# Altium PCB Unextended_Standard.PcbDoc (part 1 of 2)
Units mm, origin at the board's own origin, x right, y up, seen from the top; angles counter-clockwise.
Board outline 275.2 x 94.2 mm, 2 copper layers (Component Side, Bottom Layer), stack 1.571 mm thick; 221 components, 128 nets, 679 pads, 187 vias.
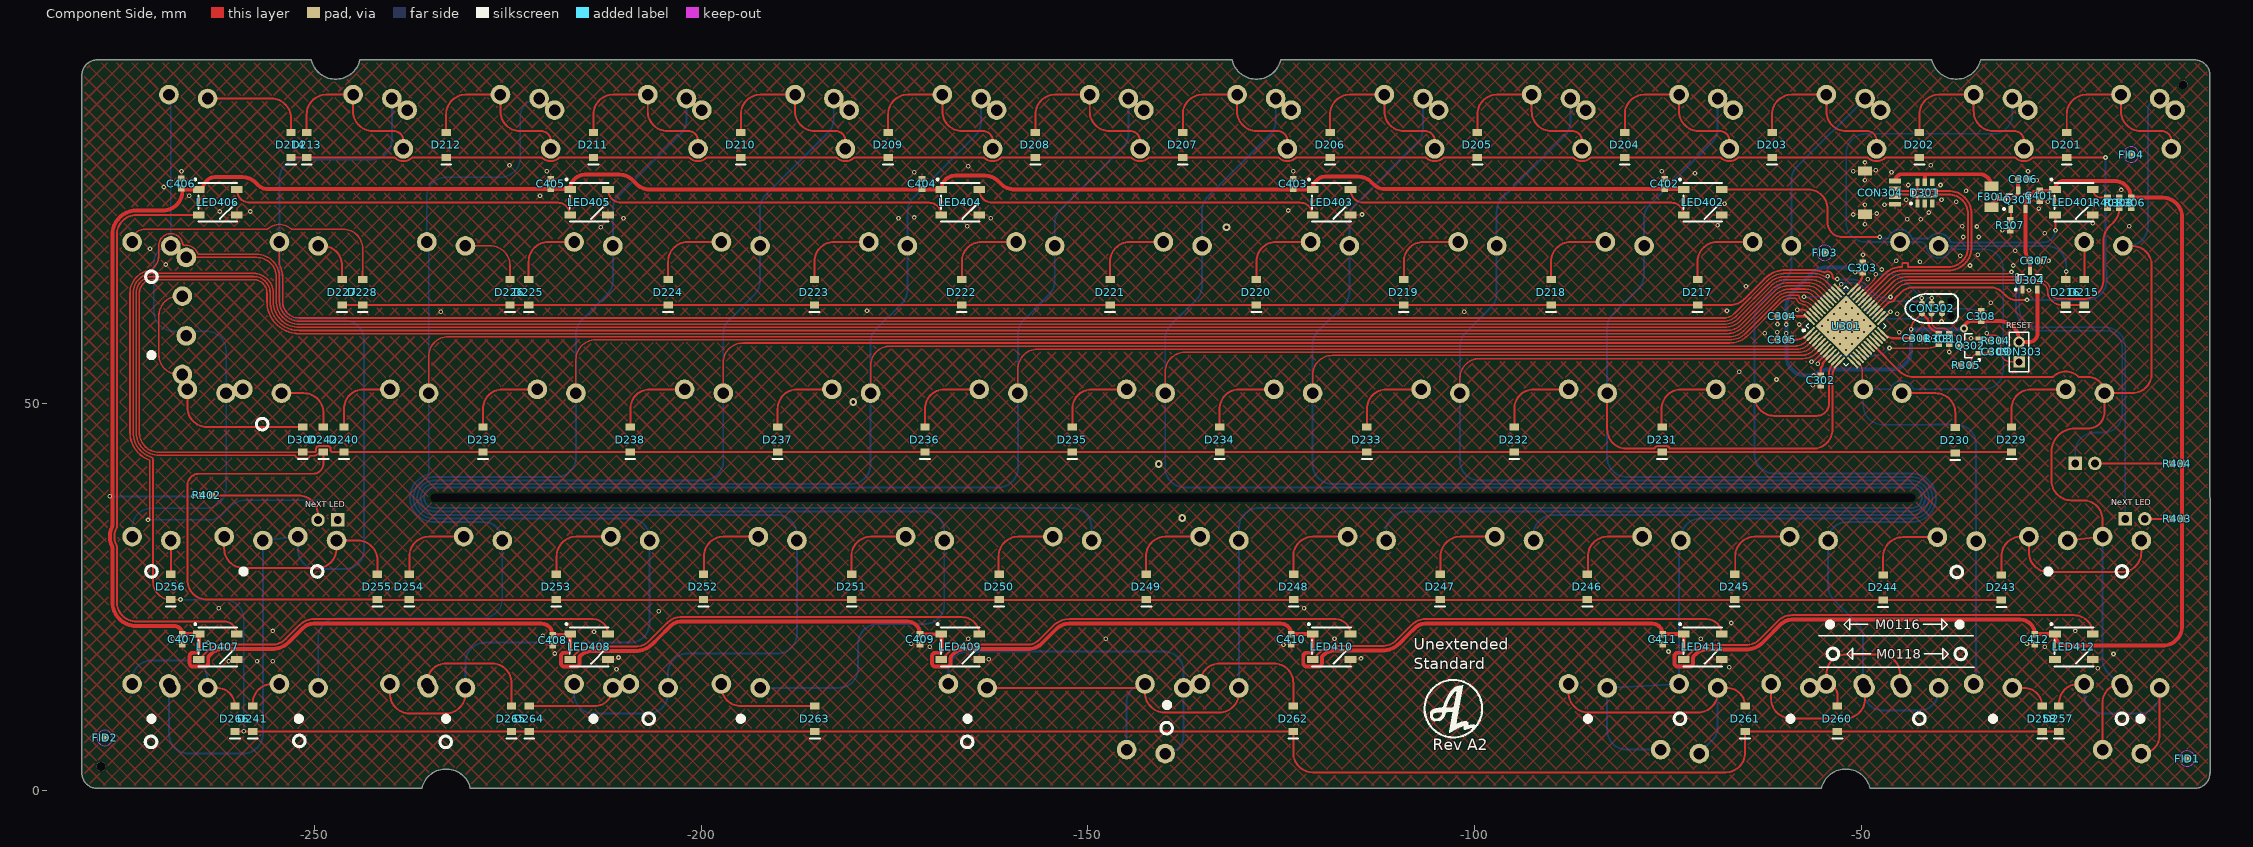
[diagram p0: Component Side view]
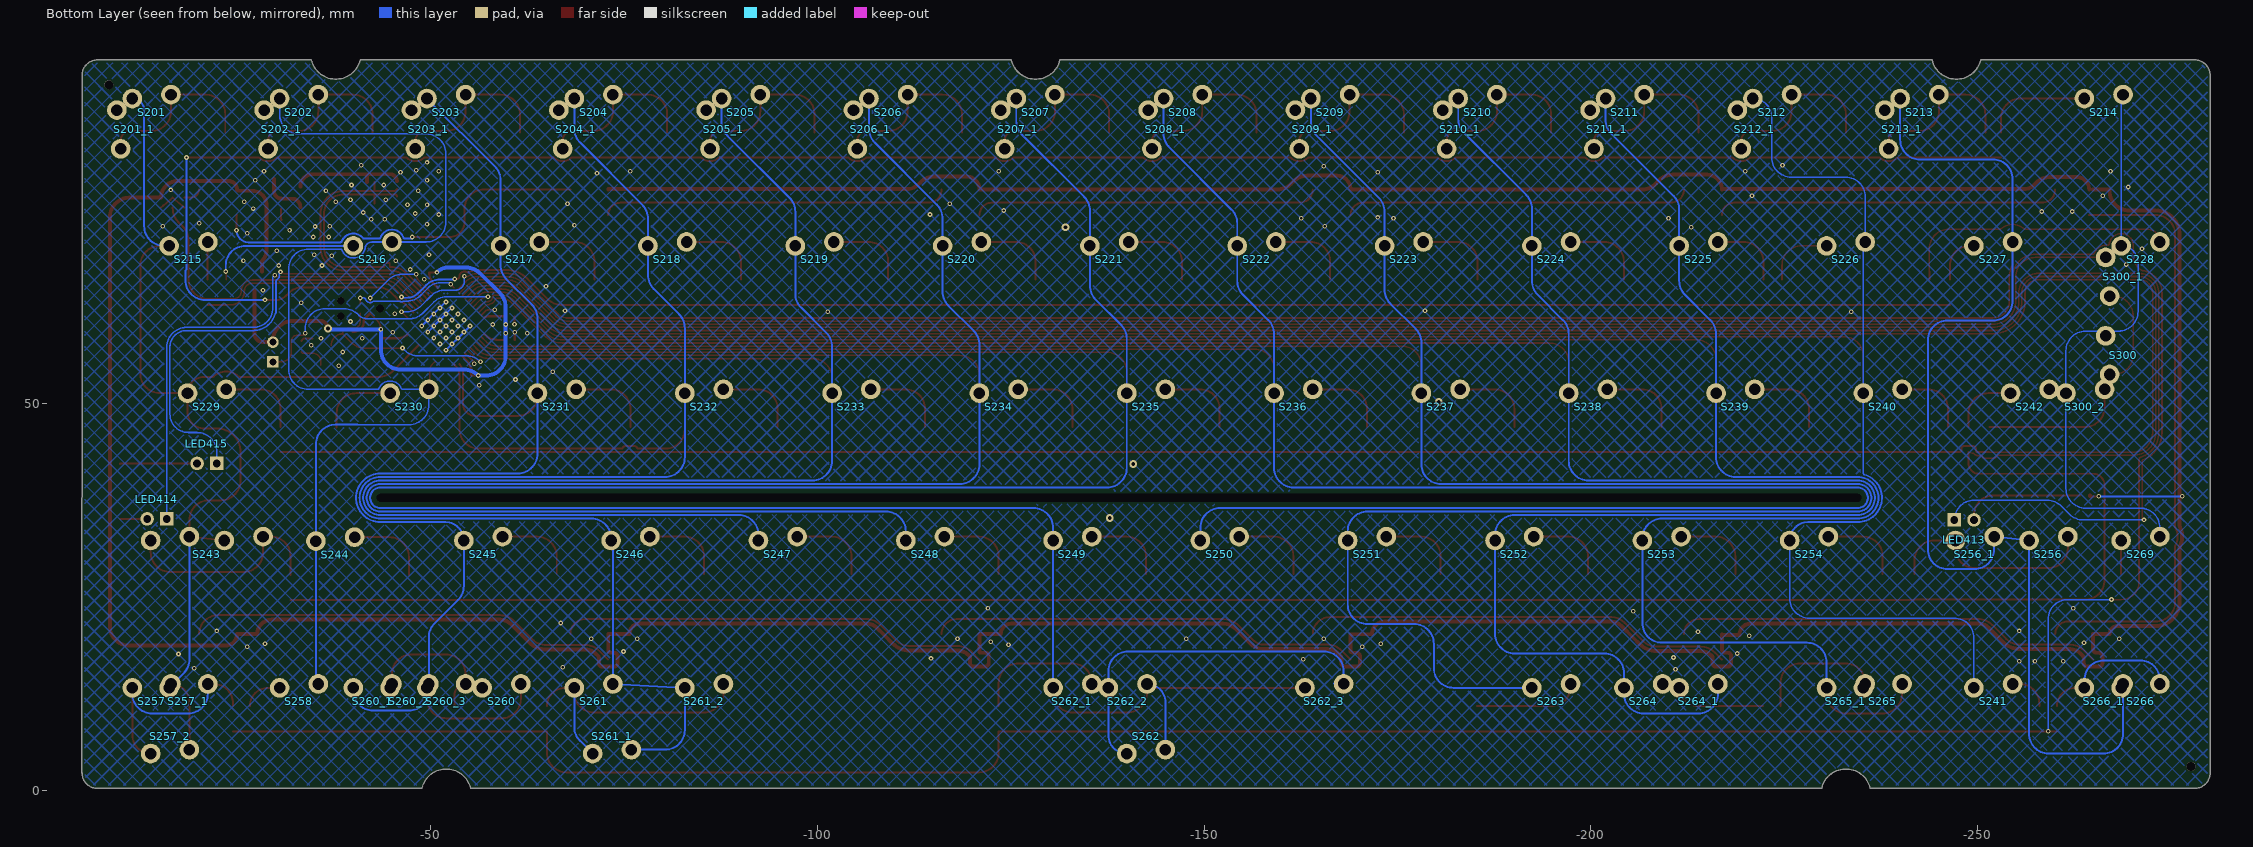
[diagram p1: Bottom Layer view, seen from below]
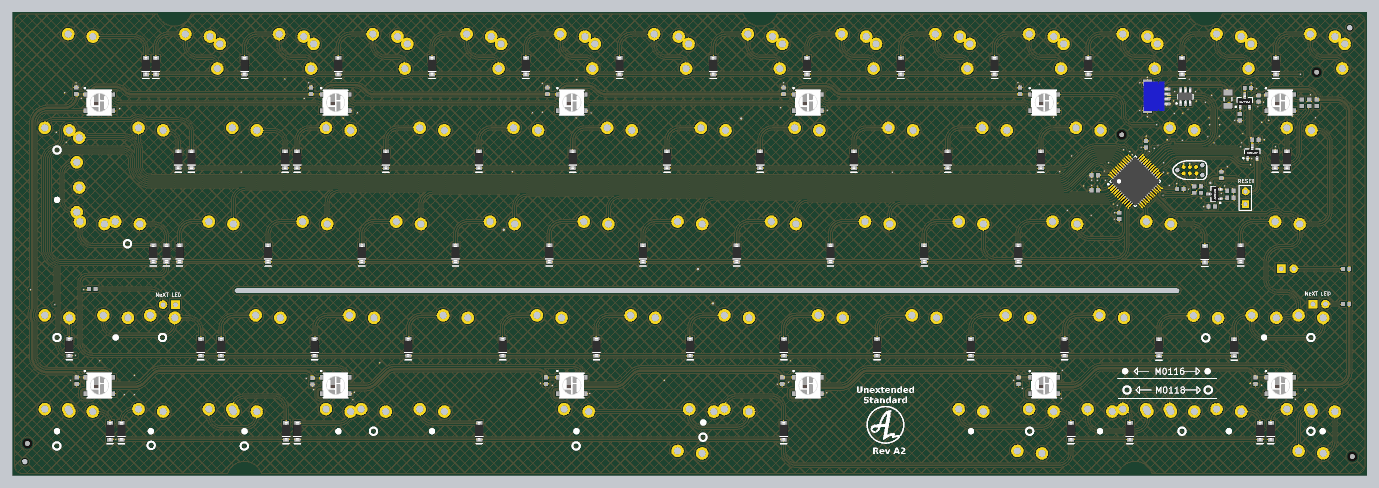
[diagram p3: 3D render of the assembled board from above, using the file's embedded part models]

## Layer stack, top to bottom
Top Solder: solder mask 0.0102, Solder Resist, Dk 3.5
Component Side: signal copper 0.0356
Dielectric 1: core 1.5, FR-4, Dk 4.2
Bottom Layer: signal copper 0.0356
Solder Side: solder mask 0.0102, Solder Resist, Dk 3.5

## Board outline
-278.088,0.215 -275.85,0.215 -269.55,0.215 -236.137,0.215 cw(c-232.987,-0.52) -229.838,0.215 -182.75,0.215 -102.25,0.215 -55.161,0.215 cw(c-52.011,-0.52) -48.861,0.215 -15.45,0.215 -9.15,0.215 -6.913,0.215 ccw(c-6.913,2.215) -4.913,2.215 ccw(c-4.913,2.238) -4.889,2.238 -4.889,36.576 -4.913,39.065 -4.913,92.415 ccw(c-6.913,92.415) -6.913,94.415 -15.45,94.415 -34.575,94.415 cw(c-37.724,95.149) -40.874,94.415 -102.25,94.415 -125.061,94.415 cw(c-128.212,95.149) -131.361,94.415 -189.05,94.415 -244.125,94.415 cw(c-247.274,95.149) -250.424,94.415 -269.55,94.415 -275.85,94.415 -278.088,94.415 ccw(c-278.088,92.415) -280.088,92.415 -280.088,39.065 -280.088,36.565 -280.088,2.215 ccw(c-278.088,2.215)

## Design rules (kind name [scope] priority, off if disabled: settings)
BoardOutlineClearance [All] p1: gap=0.254 ignorepadtopadclearanceinfootprint=FALSE except(0: Arc-SplitContinuation Track-SplitContinuation SMDPad-SplitContinuation THPad-SplitContinuation Via-SplitContinuation Fill-SplitContinuation Poly-SplitContinuation Region-SplitContinuation Text-SplitContinuation)
Clearance [All] p1: gap=0.2 ignorepadtopadclearanceinfootprint=FALSE except(0: Arc-Hole Track-Hole SMDPad-Hole THPad-Hole Via-Hole Fill-Hole Poly-Hole Region-Hole Text-Hole; 0.254: THPad-THPad THPad-Via THPad-Fill THPad-Poly THPad-Region THPad-Text Via-Via Via-Fill Via-Poly Via-Region Via-Text Fill-Fill Fill-Poly Fill-Region Fill-Text Poly-Poly Poly-Region Poly-Text Region-Region Region-Text Text-Text)
ComponentClearance [InComponent('No Component') And OnLayer('Component Side')] p1: gap=0.254 collisioncheckmode=3 verticalgap=0.254 showdistances=FALSE
DiffPairsRouting DiffPairsRouting_USB [InDifferentialPairClass('All Differential Pairs')] p1: maxlimit=0.254 minlimit=0.203 mostfreqgap=0.203 toplayer_minwidth=0.152 toplayer_maxwidth=0.381 toplayer_prefwidth=0.152 bottomlayer_minwidth=0.152 bottomlayer_maxwidth=0.381 bottomlayer_prefwidth=0.152 maxuncoupledlength=12.7
DiffPairsRouting [All] p2: maxlimit=0.254 minlimit=0.254 mostfreqgap=0.254 toplayer_minwidth=0.381 toplayer_maxwidth=0.381 toplayer_prefwidth=0.381 bottomlayer_minwidth=0.381 bottomlayer_maxwidth=0.381 bottomlayer_prefwidth=0.381 maxuncoupledlength=12.7
HoleSize [All] p1: absolutevalues=TRUE maxlimit=200 minlimit=0.025 maxpercent=80.000 minpercent=20.000
MatchedLengths MatchedLengths_USB_DiffPairs_1 [All] p1: tolerance=0.127 checknetsindiffpair=TRUE checkdiffpairvsdiffpair=FALSE checkxsignals=FALSE checkothers=FALSE
MatchedLengths MatchedLengths_USB_DiffPairs [All] p2: tolerance=0.127 checknetsindiffpair=TRUE checkdiffpairvsdiffpair=FALSE checkxsignals=FALSE checkothers=FALSE
PolygonConnect PolygonConnect_1 [All vs IsVia] p1: connectstyle=Direct reliefconductorwidth=0.254 reliefentries=4 polygonreliefangle="90 Angle" airgapwidth=0.254
PolygonConnect [All] p2: connectstyle=Relief reliefconductorwidth=0.254 reliefentries=4 polygonreliefangle="90 Angle" airgapwidth=0.254
RoutingVias [All] p1: holewidth=0.711 width=1.27 viastyle="Through Hole" minholewidth=0.711 minwidth=1.27 maxholewidth=0.711 maxwidth=1.27
SolderMaskExpansion [All] p1: expansion=0.102 istentingtop=FALSE
Width [All] p1: maxlimit=0.508 minlimit=0.203 preferedwidth=0.254 minimp=50.000000 maximp=50.000000 favimp=50.000000
27 further rules are at their usual default settings.

## Classes and differential pairs
component class 1_Unextended_Standard_top: FID1 FID2 FID3 FID4
component class Designator: C201 C202 C203 C204 C205 C206 D201 D202 D203 D204 D205 D206 D207 D208 D209 D210 D211 D212 D213 D214 D215 D216 D217 D218 D219 D220 D221 D222 D223 D224 D225 D226 D227 D228 D229 D230 D231 D232 D233 D234 D235 D236 D237 D238 D239 D240 D241 D242 D243 D244 D245 D246 D247 D248 D249 D250 D251 D252 D253 D254 D255 D256 D257 D258 D260 D261 D262 D263 D264 D265 D266 D268 D300 S201 S201_1 S202 S202_1 S203 S203_1 S204 S204_1 S205 S205_1 S206 S206_1 S207 S207_1 S208 S208_1 S209 S209_1 S210 S210_1 S211 S211_1 S212 S212_1 S213 S213_1 S214 S215 S216 S217 S218 S219 S220 S221 S222 S223 S224 S225 S226 S227 S228 S229 S230 S231 S232 S233 S234 S235 S236 S237 S238 S239 S240 S241 S242 S243 S244 S245 S246 S247 S248 S249 S250 S251 S252 S253 S254 S256 S256_1 S257 S257_1 S257_2 S258 S260 S260_1 S260_2 S260_3 S261 S261_1 S261_2 S262 S262_1 S262_2 S262_3 S263 S264 S264_1 S265 S265_1 S266 S266_1 S269 S300 S300_1 S300_2
differential pair D: +D_P -D_N

## Components (designator, comment, footprint, x,y, rotation, side; value= is the part's Value field where it differs from the comment)
C301 "" C0603[1608] -42.799,58.42 r180 top value=0.1uF
C302 "" C0603[1608] -55.245,52.959 r90 top value=0.1uF
C303 "" C0603[1608] -49.784,67.564 r270 top value=0.1uF
C304 "" C0603[1608] -60.198,61.249 r0 top value=0.1uF
C305 "" C0603[1608] -60.198,58.201 r0 top value=0.1uF
C306 "" C0603[1608] -29.083,78.994 r180 top value=4.7uF
C307 "" C0603[1608] -27.559,68.453 r180 top value=1uF
C308 "" C0603[1608] -34.487,61.291 r270 top value=1uF
C309 "" C0603[1608] -32.639,56.677 r180 top value=4.7uF
C310 "" C0603[1608] -38.608,58.328 r270 top value=470nF
C401 "" C0603[1608] -26.924,76.835 r90 top value=0.1uF
C402 "" C0603[1608] -75.438,78.374 r270 top value=0.1uF
C403 "" C0603[1608] -123.444,78.374 r270 top value=0.1uF
C404 "" C0603[1608] -171.45,78.374 r270 top value=0.1uF
C405 "" C0603[1608] -219.456,78.374 r270 top value=0.1uF
C406 "" C0603[1608] -267.208,78.422 r270 top value=0.1uF
C407 "" C0603[1608] -267.086,19.502 r90 top value=0.1uF
C408 "" C0603[1608] -219.207,19.375 r90 top value=0.1uF
C409 "" C0603[1608] -171.709,19.5 r90 top value=0.1uF
C410 "" C0603[1608] -123.703,19.502 r90 top value=0.1uF
C411 "" C0603[1608] -75.697,19.502 r90 top value=0.1uF
C412 "" C0603[1608] -27.564,19.502 r90 top value=0.1uF
CON302 "TC2030-IDC" TC2030-IDC-NL -40.894,62.265 r0 top
CON303 "Header 2" HDR1X2 -29.591,55.372 r90 top
CON304 "Header 5" "JST SM04B-SRSS-TB" -49.5,77.25 r270 top
D201 "Diode" SOD-123 -23.431,83.415 r90 top
D202 "Diode" SOD-123 -42.481,83.415 r90 top
D203 "Diode" SOD-123 -61.531,83.415 r90 top
D204 "Diode" SOD-123 -80.581,83.415 r90 top
D205 "Diode" SOD-123 -99.632,83.415 r90 top
D206 "Diode" SOD-123 -118.681,83.415 r90 top
D207 "Diode" SOD-123 -137.731,83.415 r90 top
D208 "Diode" SOD-123 -156.781,83.415 r90 top
D209 "Diode" SOD-123 -175.832,83.415 r90 top
D210 "Diode" SOD-123 -194.881,83.415 r90 top
D211 "Diode" SOD-123 -213.931,83.415 r90 top
D212 "Diode" SOD-123 -232.981,83.415 r90 top
D213 "Diode" SOD-123 -251.016,83.415 r90 top
D214 "Diode" SOD-123 -253.047,83.415 r90 top
D215 "Diode" SOD-123 -21.145,64.365 r90 top
D216 "Diode" SOD-123 -23.558,64.365 r90 top
D217 "Diode" SOD-123 -71.162,64.365 r90 top
D218 "Diode" SOD-123 -90.106,64.365 r90 top
D219 "Diode" SOD-123 -109.156,64.365 r90 top
D220 "Diode" SOD-123 -128.207,64.365 r90 top
D221 "Diode" SOD-123 -147.13,64.365 r90 top
D222 "Diode" SOD-123 -166.306,64.365 r90 top
D223 "Diode" SOD-123 -185.356,64.365 r90 top
D224 "Diode" SOD-123 -204.279,64.365 r90 top
D225 "Diode" SOD-123 -222.314,64.365 r90 top
D226 "Diode" SOD-123 -224.726,64.365 r90 top
D227 "Diode" SOD-123 -246.444,64.365 r90 top
D228 "Diode" SOD-123 -243.776,64.365 r90 top
D229 "Diode" SOD-123 -30.575,45.315 r90 top
D230 "Diode" SOD-123 -37.846,45.212 r90 top
D231 "Diode" SOD-123 -75.755,45.315 r90 top
D232 "Diode" SOD-123 -94.869,45.315 r90 top
D233 "Diode" SOD-123 -113.919,45.315 r90 top
D234 "Diode" SOD-123 -132.969,45.315 r90 top
D235 "Diode" SOD-123 -152.019,45.315 r90 top
D236 "Diode" SOD-123 -171.069,45.315 r90 top
D237 "Diode" SOD-123 -190.119,45.315 r90 top
D238 "Diode" SOD-123 -209.169,45.315 r90 top
D239 "Diode" SOD-123 -228.219,45.315 r90 top
D240 "Diode" SOD-123 -246.189,45.315 r90 top
D241 "Diode" SOD-123 -258,9.215 r90 top
D242 "Diode" SOD-123 -248.856,45.315 r90 top
D243 "Diode" SOD-123 -31.877,26.194 r90 top
D244 "Diode" SOD-123 -47.175,26.194 r90 top
D245 "Diode" SOD-123 -66.358,26.265 r90 top
D246 "Diode" SOD-123 -85.407,26.265 r90 top
D247 "Diode" SOD-123 -104.457,26.265 r90 top
D248 "Diode" SOD-123 -123.38,26.265 r90 top
D249 "Diode" SOD-123 -142.43,26.265 r90 top
D250 "Diode" SOD-123 -161.481,26.265 r90 top
D251 "Diode" SOD-123 -180.53,26.265 r90 top
D252 "Diode" SOD-123 -199.707,26.265 r90 top
D253 "Diode" SOD-123 -218.757,26.265 r90 top
D254 "Diode" SOD-123 -237.744,26.265 r90 top
D255 "Diode" SOD-123 -241.871,26.265 r90 top
D256 "Diode" SOD-123 -268.587,26.265 r90 top
D257 "Diode" SOD-123 -24.447,9.215 r90 top
D258 "Diode" SOD-123 -26.607,9.215 r90 top
D260 "Diode" SOD-123 -53.086,9.215 r90 top
D261 "Diode" SOD-123 -65.024,9.215 r90 top
D262 "Diode" SOD-123 -123.444,9.215 r90 top
D263 "Diode" SOD-123 -185.293,9.215 r90 top
D264 "Diode" SOD-123 -222.25,9.215 r90 top
D265 "Diode" SOD-123 -224.536,9.215 r90 top
D266 "Diode" SOD-123 -260.286,9.215 r90 top
D300 "Diode" SOD-123 -251.523,45.315 r90 top
D301 "SRV05" SOT-23-6 -41.783,77.216 r90 top
F301 "Fuse Thermal" C1206[3216] -33.147,76.708 r90 top
FID1 "Plug" Fiducial_Nordic -7.874,4.064 r90 top
FID2 "Plug" Fiducial_Nordic -277.114,6.731 r90 top
FID3 "Plug" Fiducial_Nordic -54.737,69.469 r90 top
FID4 "Plug" Fiducial_Nordic -15.113,82.169 r90 top
LED401 "WS2812B" "WS2812B - 5050" -22.5,76 r0 top
LED402 "WS2812B" "WS2812B - 5050" -70.499,76 r0 top
LED403 "WS2812B" "WS2812B - 5050" -118.499,76 r0 top
LED404 "WS2812B" "WS2812B - 5050" -166.499,76 r0 top
LED405 "WS2812B" "WS2812B - 5050" -214.499,76 r0 top
LED406 "WS2812B" "WS2812B - 5050" -262.499,76 r0 top
LED407 "WS2812B" "WS2812B - 5050" -262.499,18.5 r0 top
LED408 "WS2812B" "WS2812B - 5050" -214.499,18.5 r0 top
LED409 "WS2812B" "WS2812B - 5050" -166.499,18.5 r0 top
LED410 "WS2812B" "WS2812B - 5050" -118.499,18.5 r0 top
LED411 "WS2812B" "WS2812B - 5050" -70.499,18.5 r0 top
LED412 "WS2812B" "WS2812B - 5050" -22.5,18.5 r0 top
LED413 "LED0" "SWITCH_LED - 1U" -248.285,29.845 r0 bottom
LED414 "LED0" "SWITCH_LED - 1U" -14.605,40.132 r180 bottom
LED415 "LED0" "SWITCH_LED - 1U" -21.056,47.315 r180 bottom
Q301 "PMOS-2" SOT-23-3 -29.718,76.327 r90 top
Q302 "2N7002 NMOS" SOT-23-3 -35.941,57.439 r180 top
R303 "Res1" R0603[1608] -40.005,58.328 r270 top value=10K
R304 "Res1" R0603[1608] -32.639,58.074 r180 top value=10K
R305 "Res1" R0603[1608] -36.449,54.899 r180 top value=100K
R306 "Res1" R0603[1608] -15.113,75.946 r270 top value=10K
R307 "Res1" R0603[1608] -30.734,73.025 r270 top value=10K
R308 "Res1" R0603[1608] -16.637,75.946 r270 top value=470
R401 "Res1" R0603[1608] -18.161,75.946 r90 top value=470R
R402 "Res1" R0603[1608] -263.906,38.1 r180 top value=470R
R403 "Res1" R0603[1608] -9.144,35.052 r0 top value=470R
R404 "Res1" R0603[1608] -9.144,42.164 r0 top value=470R
S201 "ALPS" "Alps-switch - switched pol" -13.912,85.415 r180 bottom locked
S201_1 "ALPS" Alps-switch -13.912,85.415 r90 bottom locked
S202 "ALPS" "Alps-switch - switched pol" -32.962,85.415 r180 bottom locked
S202_1 "ALPS" Alps-switch -32.962,85.415 r90 bottom locked
S203 "ALPS" "Alps-switch - switched pol" -52.012,85.415 r180 bottom locked
S203_1 "ALPS" Alps-switch -52.012,85.415 r90 bottom locked
S204 "ALPS" "Alps-switch - switched pol" -71.062,85.415 r180 bottom locked
S204_1 "ALPS" Alps-switch -71.062,85.415 r90 bottom locked
S205 "ALPS" "Alps-switch - switched pol" -90.112,85.415 r180 bottom locked
S205_1 "ALPS" Alps-switch -90.112,85.415 r90 bottom locked
S206 "ALPS" "Alps-switch - switched pol" -109.162,85.415 r180 bottom locked
S206_1 "ALPS" Alps-switch -109.162,85.415 r90 bottom locked
S207 "ALPS" "Alps-switch - switched pol" -128.212,85.415 r180 bottom locked
S207_1 "ALPS" Alps-switch -128.212,85.415 r90 bottom locked
S208 "ALPS" "Alps-switch - switched pol" -147.262,85.415 r180 bottom locked
S208_1 "ALPS" Alps-switch -147.262,85.415 r90 bottom locked
S209 "ALPS" "Alps-switch - switched pol" -166.312,85.415 r180 bottom locked
S209_1 "ALPS" Alps-switch -166.312,85.415 r90 bottom locked
S210 "ALPS" "Alps-switch - switched pol" -185.362,85.415 r180 bottom locked
S210_1 "ALPS" Alps-switch -185.362,85.415 r90 bottom locked
S211 "ALPS" "Alps-switch - switched pol" -204.412,85.415 r180 bottom locked
S211_1 "ALPS" Alps-switch -204.412,85.415 r90 bottom locked
S212 "ALPS" "Alps-switch - switched pol" -223.462,85.415 r180 bottom locked
S212_1 "ALPS" Alps-switch -223.462,85.415 r90 bottom locked
S213 "ALPS" "Alps-switch - switched pol" -242.512,85.415 r180 bottom locked
S213_1 "ALPS" Alps-switch -242.512,85.415 r90 bottom locked
S214 "ALPS" "ALPS-switch - 1.5U" -266.325,85.415 r180 bottom locked
S215 "MX" "Alps-switch - switched pol" -18.675,66.365 r180 bottom locked
S216 "ALPS" Alps-switch -42.487,66.365 r180 bottom locked
S217 "ALPS" "Alps-switch - switched pol" -61.537,66.365 r180 bottom locked
S218 "ALPS" "Alps-switch - switched pol" -80.587,66.365 r180 bottom locked
S219 "ALPS" "Alps-switch - switched pol" -99.637,66.365 r180 bottom locked
S220 "ALPS" "Alps-switch - switched pol" -118.687,66.365 r180 bottom locked
S221 "ALPS" "Alps-switch - switched pol" -137.737,66.365 r180 bottom locked
S222 "ALPS" "Alps-switch - switched pol" -156.787,66.365 r180 bottom locked
S223 "ALPS" "Alps-switch - switched pol" -175.837,66.365 r180 bottom locked
S224 "ALPS" "Alps-switch - switched pol" -194.887,66.365 r180 bottom locked
S225 "ALPS" "Alps-switch - switched pol" -213.937,66.365 r180 bottom locked
S226 "ALPS" Alps-switch -232.987,66.365 r180 bottom locked
S227 "ALPS" Alps-switch -252.037,66.365 r180 bottom locked
S228 "ALPS" "Alps-switch - switched pol" -271.087,66.365 r180 bottom locked
S229 "ALPS" "Alps-switch - switched pol" -21.056,47.315 r180 bottom locked
S230 "ALPS" Alps-switch -47.25,47.315 r180 bottom locked
S231 "ALPS" "Alps-switch - switched pol" -66.3,47.315 r180 bottom locked
S232 "ALPS" "Alps-switch - switched pol" -85.35,47.315 r180 bottom locked
S233 "ALPS" "Alps-switch - switched pol" -104.4,47.315 r180 bottom locked
S234 "ALPS" "Alps-switch - switched pol" -123.45,47.315 r180 bottom locked
S235 "ALPS" "Alps-switch - switched pol" -142.5,47.315 r180 bottom locked
S236 "ALPS" "Alps-switch - switched pol" -161.55,47.315 r180 bottom locked
S237 "ALPS" "Alps-switch - switched pol" -180.6,47.315 r180 bottom locked
S238 "ALPS" "Alps-switch - switched pol" -199.65,47.315 r180 bottom locked
S239 "ALPS" "Alps-switch - switched pol" -218.7,47.315 r180 bottom locked
S240 "ALPS" "Alps-switch - switched pol" -237.75,47.315 r180 bottom locked
S241 "ALPS" Alps-switch -252.037,9.215 r180 bottom
S242 "ALPS" Alps-switch -256.775,47.315 r180 bottom locked
S243 "ALPS" "ALPS-switch - Left shift v2" -25.819,28.265 r180 bottom locked
S244 "ALPS" Alps-switch -37.655,28.194 r180 bottom locked
S245 "ALPS" "Alps-switch - switched pol" -56.775,28.265 r180 bottom locked
S246 "ALPS" "Alps-switch - switched pol" -75.825,28.265 r180 bottom locked
S247 "ALPS" "Alps-switch - switched pol" -94.875,28.265 r180 bottom locked
S248 "ALPS" "Alps-switch - switched pol" -113.925,28.265 r180 bottom locked
S249 "ALPS" "Alps-switch - switched pol" -132.975,28.265 r180 bottom locked
S250 "ALPS" "Alps-switch - switched pol" -152.025,28.265 r180 bottom locked
S251 "ALPS" "Alps-switch - switched pol" -171.075,28.265 r180 bottom locked
S252 "ALPS" "Alps-switch - switched pol" -190.124,28.265 r180 bottom locked
S253 "ALPS" "Alps-switch - switched pol" -209.175,28.265 r180 bottom locked
S254 "ALPS" "Alps-switch - switched pol" -228.225,28.265 r180 bottom locked
S256 "ALPS" "ALPS-switch - 2.25U" -259.18,28.265 r180 bottom locked
S256_1 "ALPS" "Alps-switch - switched pol" -249.655,28.265 r180 bottom locked
S257 "ALPS" "Alps-switch - switched pol" -13.912,9.215 r180 bottom
S257_1 "ALPS" Alps-switch -18.675,9.215 r180 bottom
S257_2 "ALPS" Alps-switch -16.294,9.215 r0 bottom
S258 "ALPS" Alps-switch -32.962,9.215 r180 bottom
S260 "ALPS" Alps-switch -59.156,9.215 r180 bottom
S260_1 "ALPS" "Alps-switch - switched pol" -42.487,9.215 r180 bottom
S260_2 "ALPS" Alps-switch -47.25,9.215 r180 bottom
S260_3 "ALPS" "Alps-switch - switched pol" -52.012,9.215 r180 bottom
S261 "ALPS" Alps-switch -71.062,9.215 r180 bottom
S261_1 "ALPS" "Alps-switch - switched pol" -73.444,9.215 r0 bottom
S261_2 "ALPS" "Alps-switch - switched pol" -85.35,9.215 r180 bottom
S262 "ALPS" Alps-switch -142.5,9.215 r0 bottom
S262_1 "ALPS" Alps-switch -132.975,9.215 r180 bottom
S262_2 "ALPS" "Alps-switch - switched pol" -140.119,9.215 r180 bottom
S262_3 "ALPS" Alps-switch -165.547,9.218 r180 bottom
S263 "ALPS" Alps-switch -194.887,9.215 r180 bottom
S264 "ALPS" "Alps-switch - switched pol" -206.794,9.215 r180 bottom
S264_1 "ALPS" Alps-switch -213.937,9.215 r180 bottom
S265 "ALPS" "Alps-switch - switched pol" -237.75,9.215 r180 bottom
S265_1 "ALPS" Alps-switch -232.987,9.215 r180 bottom
S266 "ALPS" "Alps-switch - switched pol" -271.087,9.215 r180 bottom
S266_1 "ALPS" Alps-switch -266.325,9.215 r180 bottom
S269 "ALPS" Alps-switch -271.087,28.265 r180 bottom locked
S300 "ALPS" Alps-switch -271.087,56.235 r90 bottom
S300_1 "ALPS" Alps-switch -271.087,66.365 r90 bottom locked
S300_2 "ALPS" "Alps-switch - switched pol" -263.944,47.315 r180 bottom locked
U301 "STM32F072/F303_LQFP48" "STM32 - COMBO 7X7MM" -51.97,60 r45 top locked
U304 "XC6206P332MR" SOT-23-3 -28.194,65.913 r90 top
